# KiCad board V5PCB_Panel.kicad_pcb (continued)
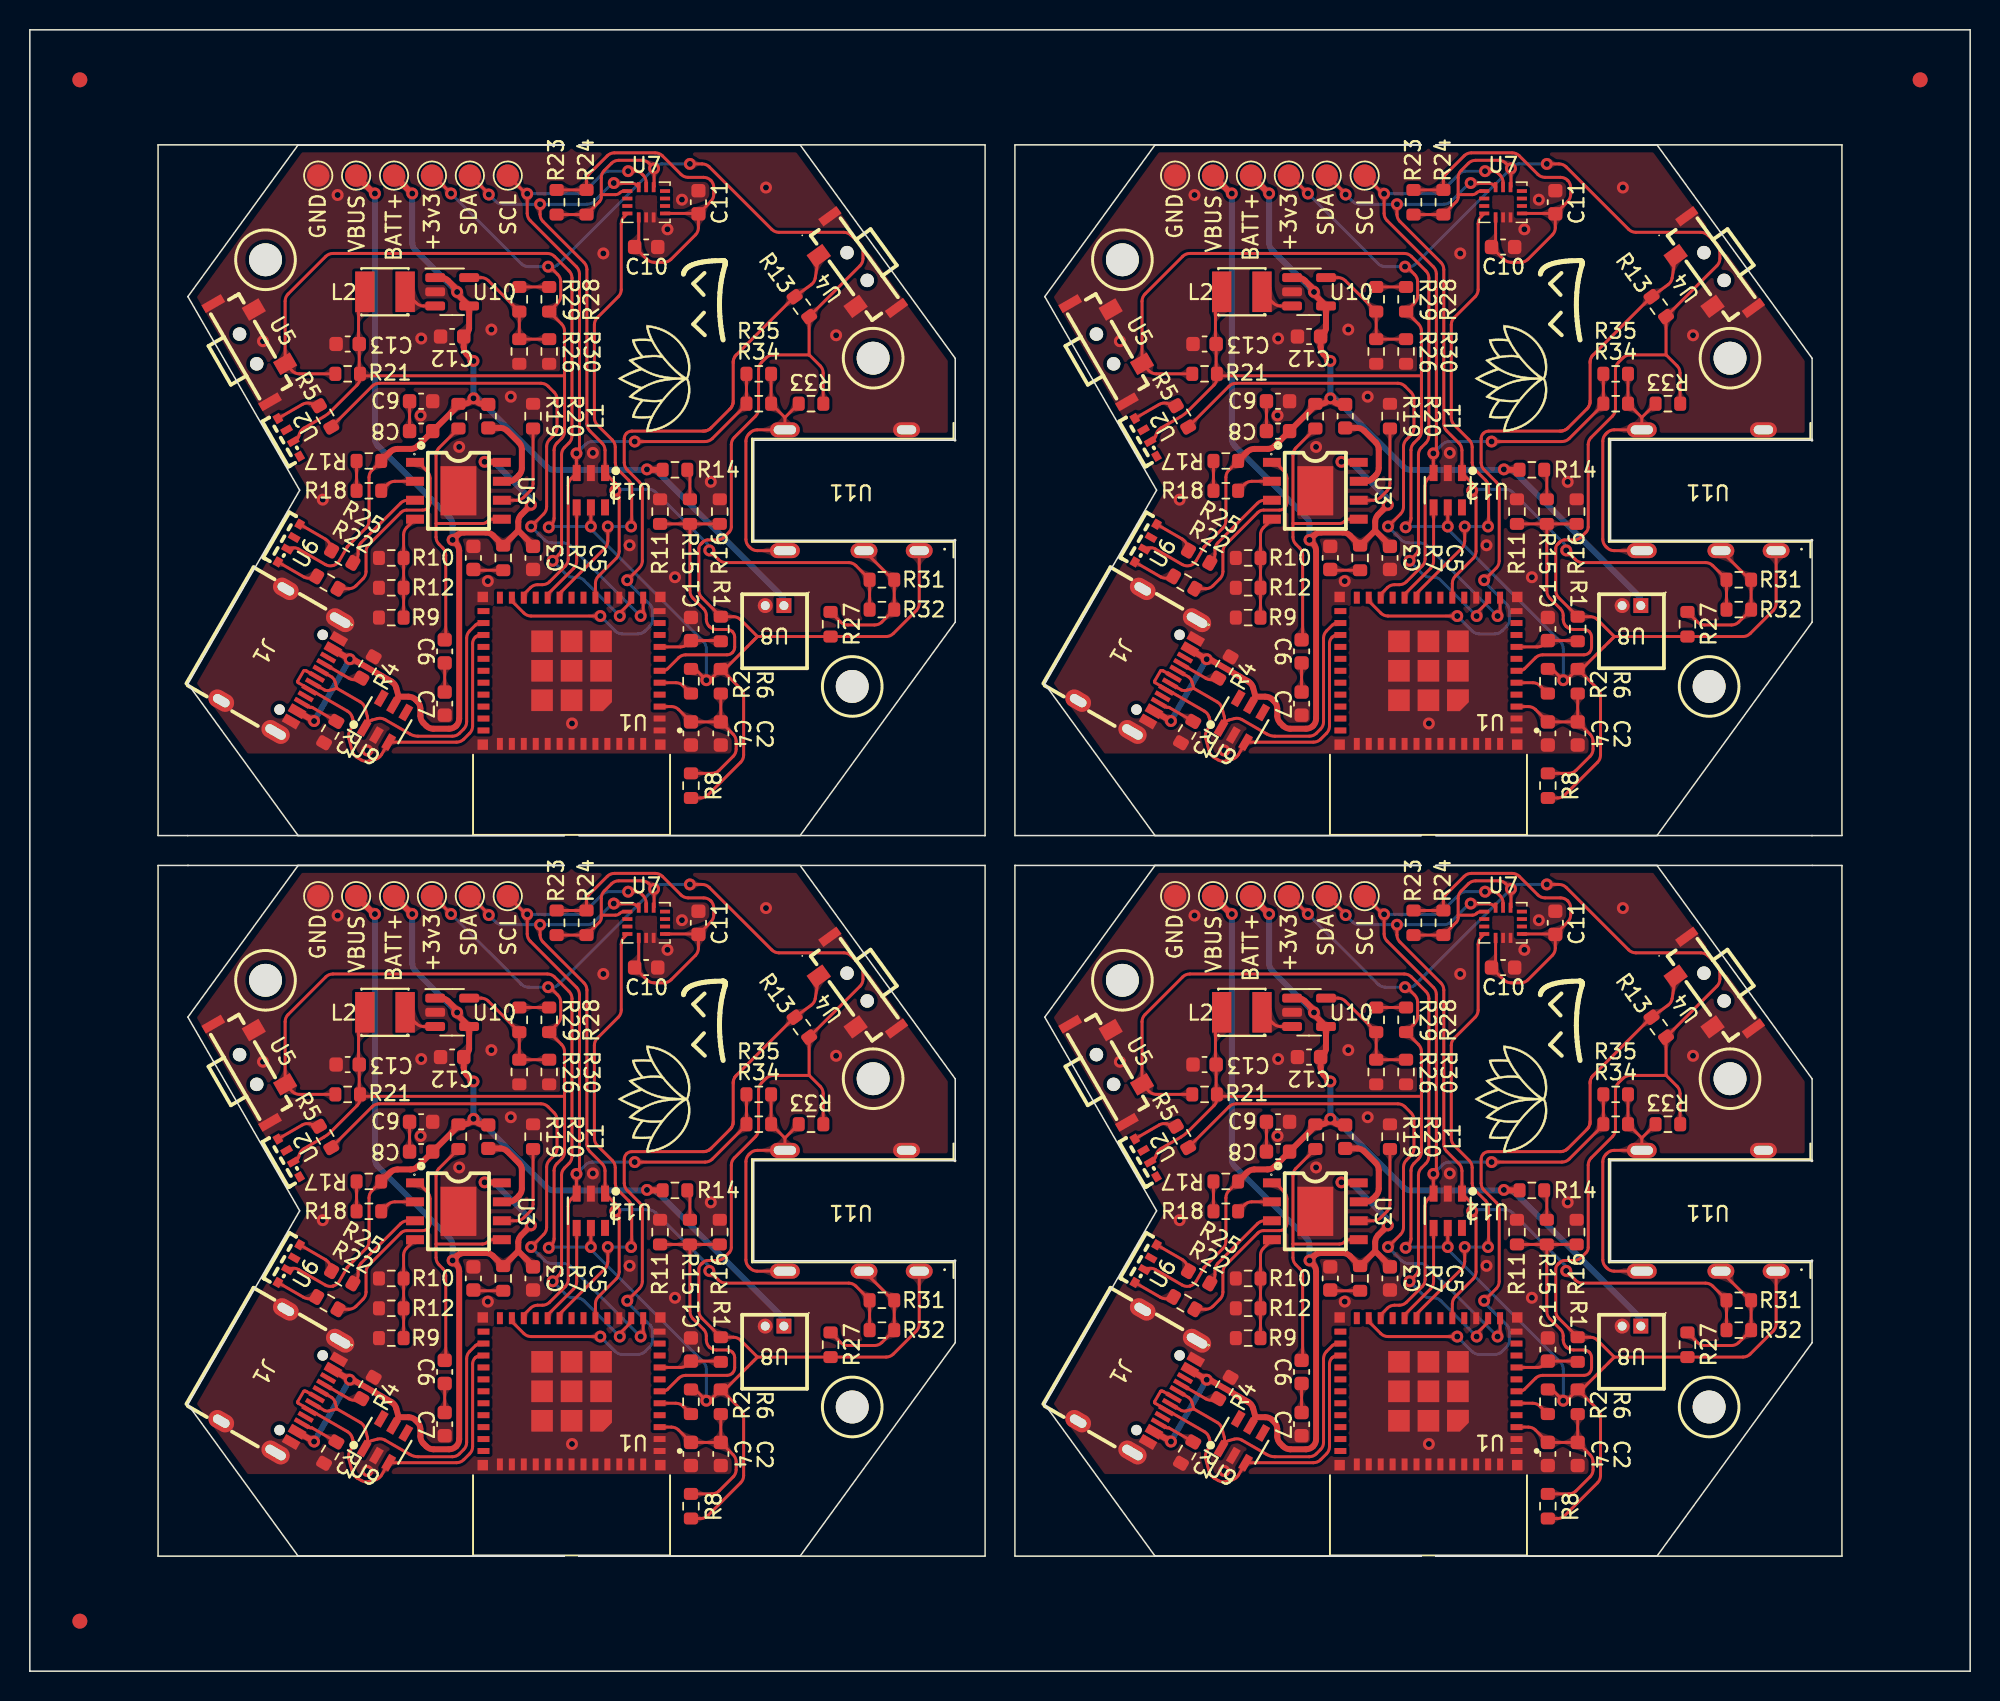
[diagram p0: board, top side]
## Placement (name value [footprint] x y rotation side) (continued)
VBUS  -  [TestPoint_Pad_D1.5mm]  21.86 51.94 90 top
VBUS#2  -  [TestPoint_Pad_D1.5mm]  79.27 51.94 90 top
VBUS#3  -  [TestPoint_Pad_D1.5mm]  21.86 100.23 90 top
VBUS#4  -  [TestPoint_Pad_D1.5mm]  79.27 100.23 90 top
VBUS#5  -  [TestPoint_Pad_D1.5mm]  79.27 51.94 270 bottom
VBUS#6  -  [TestPoint_Pad_D1.5mm]  21.86 100.23 270 bottom
VBUS#7  -  [TestPoint_Pad_D1.5mm]  21.86 51.94 270 bottom
VBUS#8  -  [TestPoint_Pad_D1.5mm]  79.27 100.23 270 bottom

## Library data of the parts
C1 C1#2-C1#4 C2 C2#2-C2#4 C3 C3#2-C3#4 C4 C4#2-C4#4 C5 C5#2-C5#4 C6 C6#2-C6#4 C7 C7#2-C7#4 C8 C8#2-C8#4 C9 C9#2-C9#4 C10 C10#2-C10#4 C11 C11#2-C11#4 C12 C12#2-C12#4 C13 C13#2-C13#4 = -: Description: Unpolarized capacitor, small symbol
J1 J1#2-J1#4 = -: Description: USB 2.0-only Type-C Receptacle connector
L1 L1#2-L1#4 = -: Description: Inductor, small symbol; LCSC: C394948
L2 L2#2-L2#4 = -: Description: Inductor, small symbol; LCSC: C167747
R1 R1#2-R1#4 R2 R2#2-R2#4 R3 R3#2-R3#4 R4 R4#2-R4#4 R5 R5#2-R5#4 R6 R6#2-R6#4 R7 R7#2-R7#4 R8 R8#2-R8#4 R9 R9#2-R9#4 R10 R10#2-R10#4 R11 R11#2-R11#4 R12 R12#2-R12#4 R13 R13#2-R13#4 R14 R14#2-R14#4 R15 R15#2-R15#4 R16 R16#2-R16#4 R17 R17#2-R17#4 R18 R18#2-R18#4 R19 R19#2-R19#4 R20 R20#2-R20#4 R21 R21#2-R21#4 R22 R22#2-R22#4 R23 R23#2-R23#4 R24 R24#2-R24#4 R25 R25#2-R25#4 R26 R26#2-R26#4 R27 R27#2-R27#4 R28 R28#2-R28#4 R29 R29#2-R29#4 R30 R30#2-R30#4 R31 R31#2-R31#4 R32 R32#2-R32#4 R33 R33#2-R33#4 R34 R34#2-R34#4 R35 R35#2-R35#4 = -: Description: Resistor, small symbol
U1 U1#2-U1#4 = -: Description: Bluetooth, WiFi 802.11b/g/n, Bluetooth v5.0 Transceiver Module 2.412GHz ~ 2.484GHz PCB Trace Surface Mount; Availability: In Stock; Check_prices: https://www.snapeda.com/parts/ESP32-C3-MINI-1-N4/Espressif+Systems/view-part/?ref=eda; MANUFACTURER: Espressif Systems; MAXIMUM_PACKAGE_HEIGHT: 2.55mm; MF: Espressif Systems; PARTREV: v1.0; Package: SMD-53 Espressif Systems; Price: None; Purchase-URL: https://www.snapeda.com/api/url_track_click_mouser/?unipart_id=5656579&manufacturer=Espressif Systems&part_name=ESP32-C3-MINI-1-N4&search_term=esp32-c3-mini; STANDARD: Manufacturer Recommendations; SnapEDA_Link: https://www.snapeda.com/parts/ESP32-C3-MINI-1-N4/Espressif+Systems/view-part/?ref=snap
U2 U2#2-U2#4 U6 U6#2-U6#4 = -: LCSC: C727903
U4 U4#2-U4#4 U5 U5#2-U5#4 = -: LCSC: C410363
U7 U7#2-U7#4 = -: Description: Small, low power inertial measurement unit, LGA-14
U8 U8#2-U8#4 = -: LCSC: C722634
U9 U9#2-U9#4 U12 U12#2-U12#4 = -: LCSC: C558418
U10 U10#2-U10#4 = -: LCSC: C83224
U11 U11#2-U11#4 = -: LCSC: C2837093

## Footprints (pads in the part's own frame, mm; a bottom-side part is the same pattern mirrored in y, then rotated)
AUDIO-TH_ST-0277D00-052-142
  oval 1.8x1 hole 1.3x0.6: 1(-4.5,4.05) 2(-3.65,-4.05) 3(-0.8,4.05)
  oval 2x1 hole 1.5x0.6: 4(4.5,-4.05) 5(4.5,4.05)
Bosch_LGA-14_3x2.5mm_P0.5mm
  rect 0.675x0.25 smd: 1(-1.262,0.75) 2(-1.262,0.25) 3(-1.262,-0.25) 4(-1.262,-0.75) 8(1.262,-0.75) 9(1.262,-0.25) 10(1.262,0.25) 11(1.262,0.75)
  rect 0.25x0.675 smd: 5(-0.5,-1.012) 6(0,-1.012) 7(0.5,-1.012) 12(0.5,1.012) 13(0,1.012) 14(-0.5,1.012)
C_0603_1608Metric
  rrect 0.9x0.95 smd: 1(-0.775,0) 2(0.775,0)
CONN-TH_1.25T-2AW
  rect 1x1 hole 0.6: 1(-0.625,0)
  round 1 hole 0.6: 2(0.625,0)
ESOP-8_L4.9-W3.9-P1.27-LS6.0-BL-EP
  rect 0.6x1.2 smd: 1(-1.905,-2.908) 2(-0.635,-2.908) 3(0.635,-2.908) 4(1.905,-2.908) 5(1.905,2.908) 6(0.635,2.908) 7(-0.635,2.908) 8(-1.905,2.908)
  rect 3.3x2.4 smd: 9(0,0)
Fiducial
  round 1 smd: (0,0)
IND-SMD_L3.0-W3.0_FNR30XXS
  rect 1.3x2.72 smd: 1(1.35,0) 2(-1.35,0)
L_0603_1608Metric
  rrect 0.875x0.95 smd: 1(-0.787,0) 2(0.787,0)
LED-SMD_FM-3510RGBA-SG
  rect 0.6x0.5 smd: 1(-1.46,0.062) 4(1.46,0.062)
  rect 0.44x0.75 smd: 2(-0.39,-0.062) 3(0.51,-0.062)
MountingHole_2.2mm_M2_ISO7380
  round 2.2 hole 2.2 unplated: (0,0)
R_0603_1608Metric
  rrect 0.8x0.95 smd: 1(-0.825,0) 2(0.825,0)
SOT-23-5
  rrect 1.325x0.6 smd: 1(-1.137,0.95) 2(-1.137,0) 3(-1.137,-0.95) 4(1.137,-0.95) 5(1.137,0.95)
SOT-23-6_L2.9-W1.6-P0.95-LS2.8-BL
  rect 0.532x1.072 smd: 1(-0.95,-1.149) 2(0,-1.149) 3(0.95,-1.149) 4(0.95,1.149) 5(0,1.149) 6(-0.95,1.149)
SW-SMD_TS-KG012EV
  round 0.9 hole 0.9 unplated: (-1.15,-0.575) (1.15,-0.575)
  rect 1x1.3 smd: 1(2.1,1.075) 2(-2.1,1.075)
  rect 0.6x1.5 smd: 3(-3.8,-1.075) 4(3.8,-1.075)
TestPoint_Pad_D1.5mm
  round 1.5 smd: 1(0,0)
USB-C-SMD_TYPE-C-6PIN-2MD-073
  round 0.7 hole 0.7 unplated: (-2.89,1.305) (2.89,1.305)
  rect 0.3x1.1 smd: 3(-1.75,2.375) 9(1.25,2.375) A5(-1.25,2.375) A6(0.75,2.375) A7(0.25,2.375) B5(1.75,2.375) B6(-0.25,2.375) B7(-0.75,2.375)
  rect 0.6x1.1 smd: A1(-3.2,2.375) A1(3.2,2.375) A4(-2.4,2.375) A4(2.4,2.375)
  oval 1.2x2 hole 0.6x1.5: S1(-4.325,1.825) S1(4.325,1.825)
  oval 1.2x1.8 hole 0.6x1.2: S1(-4.325,-2.375) S1(4.325,-2.375)
XCVR_ESP32-C3-MINI-1-N4
  rect 0.8x0.4 smd: 1(-5.9,1.3) 2(-5.9,0.5) 3(-5.9,-0.3) 4(-5.9,-1.1) 5(-5.9,-1.9) 6(-5.9,-2.7) 7(-5.9,-3.5) 8(-5.9,-4.3) 9(-5.9,-5.1) 10(-5.9,-5.9) 11(-5.9,-6.7) 25(5.9,-6.7) 26(5.9,-5.9) 27(5.9,-5.1) 28(5.9,-4.3) 29(5.9,-3.5) 30(5.9,-2.7) 31(5.9,-1.9) 32(5.9,-1.1) 33(5.9,-0.3) 34(5.9,0.5) 35(5.9,1.3)
  rect 0.4x0.8 smd: 12(-4.8,-7.6) 13(-4,-7.6) 14(-3.2,-7.6) 15(-2.4,-7.6) 16(-1.6,-7.6) 17(-0.8,-7.6) 18(0,-7.6) 19(0.8,-7.6) 20(1.6,-7.6) 21(2.4,-7.6) 22(3.2,-7.6) 23(4,-7.6) 24(4.8,-7.6) 36(4.8,2.2) 37(4,2.2) 38(3.2,2.2) 39(2.4,2.2) 40(1.6,2.2) 41(0.8,2.2) 42(0,2.2) 43(-0.8,2.2) 44(-1.6,2.2) 45(-2.4,2.2) 46(-3.2,2.2) 47(-4,2.2) 48(-4.8,2.2)
  custom 0.6x0.6 smd: 49_1(-1.975,-0.725)
  rect 1.45x1.45 smd: 49_2(0,-0.725) 49_3(1.975,-0.725) 49_4(1.975,-2.7) 49_5(1.975,-4.675) 49_6(0,-4.675) 49_7(-1.975,-4.675) 49_8(-1.975,-2.7) 49_9(0,-2.7)
  rect 0.7x0.7 smd: 50(5.95,2.25) 51(5.95,-7.65) 52(-5.95,-7.65) 53(-5.95,2.25)

## Nets
Board_0-+3V3: +3v3.1 +3v3#6.1 C13.1 L2#3.2 R1#3.1 R2#4.2 R6#4.1 R8#3.1 R13#4.2 R21#2.2 R23.1 R24#4.1 R27.1 R28#3.1 R33#4.1 U2#3.2 U7#2.1 U7#2.12 U11#4.1 U12#3.5
Board_0-+BATT: BATT+#3.1 BATT+#8.1 C8#2.1 C12#4.1 L1#4.2 R14.1 R17#4.1 R20.1 U6#3.2 U8#2.1 U10#3.1 U10#3.4
Board_0-/ADC: R11#4.1 R15#3.2 R16#3.1 U1#4.6
Board_0-/BMI_INT_AUX: U1#4.20 U12#3.4
Board_0-/BMI_INT_MAIN: U1#4.19 U7#2.4
Board_0-/BOOT: R13#4.1 U1#4.23 U4.1
Board_0-/CHARGED_LED: R25#3.2 U3#3.3
Board_0-/CHARGING_LED: R22#2.2 U3#3.1
Board_0-/EN: C1#3.1 R1#3.2 U1#4.8
Board_0-/GPIO1: R21#2.1 U1#4.13 U5#4.1
Board_0-/GPIO2: R2#4.1 U1#4.5
Board_0-/SCL: R34#3.1 R35#4.1 SCL#2.1 SCL#5.1 U1#4.22 U7#2.13 U12#3.3
Board_0-/SDA: R31#4.1 R32#2.1 SDA.1 SDA#8.1 U1#4.16 U7#2.14 U12#3.1
Board_0-/STATUS_LED: R5.2 U1#4.12
Board_0-/USB_D+: J1.A6 J1.B6 U1#4.27 U9#4.3
Board_0-/USB_D-: J1.A7 J1.B7 U1#4.26 U9#4.1
Board_0-GND: C1#3.2 C2.2 C3#3.2 C4#4.2 C5#2.2 C7#3.2 C9#3.2 C10#2.2 C11.2 C12#4.2 C13.2 GND#4.1 GND#5.1 J1.A1 J1.S1 R3.2 R4#2.2 R9.1 R10.1 R11#4.2 R12#4.1 R16#3.2 R19#4.1 R26.2 R30.2 U1#4.1 U1#4.2 U1#4.11 U1#4.14 U1#4.36 U1#4.37 U1#4.38 U1#4.39 U1#4.40 U1#4.41 U1#4.42 U1#4.43 U1#4.44 U1#4.45 U1#4.46 U1#4.47 U1#4.48 U1#4.49_1 U1#4.49_2 U1#4.49_3 U1#4.49_4 U1#4.49_5 U1#4.49_6 U1#4.49_7 U1#4.49_8 U1#4.49_9 U1#4.50 U1#4.51 U1#4.52 U1#4.53 U3#3.9 U4.2 U4.3 U4.4 U5#4.2 U5#4.3 U5#4.4 U7#2.6 U7#2.7 U8#2.2 U9#4.2 U10#3.2 U11#4.2 U12#3.2
Board_0-Net-(C3-Pad1): C3#3.1 R7#4.2
Board_0-Net-(C6-Pad2): C6#4.2 C7#3.1
Board_0-Net-(C8-Pad2): C8#2.2 C9#3.1
Board_0-Net-(J1-CC1): J1.A5 R4#2.1
Board_0-Net-(J1-CC2): J1.B5 R3.1
Board_0-Net-(R5-Pad1): R5.1 U2#3.4
Board_0-Net-(R14-Pad2): R14.2 R15#3.1
Board_0-Net-(R17-Pad2): R17#4.2 R18#4.1
Board_0-Net-(R22-Pad1): R22#2.1 U6#3.1
Board_0-Net-(R25-Pad1): R25#3.1 U6#3.4
Board_0-Net-(R27-Pad2): R27.2 R31#4.2 R32#2.2 U11#4.3
Board_0-Net-(R28-Pad2): R28#3.2 R29#2.1
Board_0-Net-(R33-Pad2): R33#4.2 R34#3.2 R35#4.2 U11#4.4 U11#4.5
Board_0-Net-(U1-3V3): C2.1 C4#4.1 R6#4.2 R8#3.2 U1#4.3
Board_0-Net-(U3-BAT): C6#4.1 R20.2 U3#3.5
Board_0-Net-(U3-ICHG): R19#4.2 U3#3.6
Board_0-Net-(U3-NTC): R9.2 R10.2 R12#4.2 U3#3.4
Board_0-Net-(U3-SW): L1#4.1 U3#3.7
Board_0-Net-(U3-TEST): R18#4.2 U3#3.2
Board_0-Net-(U7-VDD): C10#2.1 C11.1 R23.2 R24#4.2 U7#2.5 U7#2.8
Board_0-Net-(U10-FB): R26.1 R29#2.2 R30.1 U10#3.5
Board_0-Net-(U10-SW): L2#3.1 U10#3.3
Board_0-unconnected-(U1-IO4-Pad18): U1#4.18
Board_0-unconnected-(U1-IO7-Pad21): U1#4.21
Board_0-unconnected-(U1-NC-Pad4): U1#4.4
Board_0-unconnected-(U1-NC-Pad7): U1#4.7
Board_0-unconnected-(U1-NC-Pad9): U1#4.9
Board_0-unconnected-(U1-NC-Pad10): U1#4.10
Board_0-unconnected-(U1-NC-Pad15): U1#4.15
Board_0-unconnected-(U1-NC-Pad17): U1#4.17
Board_0-unconnected-(U1-NC-Pad24): U1#4.24
Board_0-unconnected-(U1-NC-Pad25): U1#4.25
Board_0-unconnected-(U1-NC-Pad28): U1#4.28
Board_0-unconnected-(U1-NC-Pad29): U1#4.29
Board_0-unconnected-(U1-NC-Pad32): U1#4.32
Board_0-unconnected-(U1-NC-Pad33): U1#4.33
Board_0-unconnected-(U1-NC-Pad34): U1#4.34
Board_0-unconnected-(U1-NC-Pad35): U1#4.35
Board_0-unconnected-(U1-RXD0-Pad30): U1#4.30
Board_0-unconnected-(U1-TXD0-Pad31): U1#4.31
Board_0-unconnected-(U2---Pad1): U2#3.1
Board_0-unconnected-(U2---Pad3): U2#3.3
Board_0-unconnected-(U6---Pad3): U6#3.3
Board_0-unconnected-(U7-ASCx-Pad3): U7#2.3
Board_0-unconnected-(U7-ASDx-Pad2): U7#2.2
Board_0-unconnected-(U7-INT2-Pad9): U7#2.9
Board_0-unconnected-(U7-OCSB-Pad10): U7#2.10
Board_0-unconnected-(U7-OSDO-Pad11): U7#2.11
Board_0-unconnected-(U9-Pad4): U9#4.4
Board_0-unconnected-(U9-Pad6): U9#4.6
Board_0-unconnected-(U12-Pad6): U12#3.6
Board_0-VBUS: C5#2.1 J1.A4 R7#4.1 U3#3.8 U9#4.5 VBUS#3.1 VBUS#6.1
Board_1-+3V3: +3v3#2.1 +3v3#7.1 C13#2.1 L2.2 R1#4.1 R2.2 R6#2.1 R8.1 R13#2.2 R21#3.2 R23#2.1 R24.1 R27#3.1 R28#4.1 R33.1 U2#2.2 U7#3.1 U7#3.12 U11#2.1 U12#2.5
Board_1-+BATT: BATT+#4.1 BATT+#6.1 C8#3.1 C12#3.1 L1#3.2 R14#2.1 R17#3.1 R20#3.1 U6#2.2 U8#4.1 U10.1 U10.4
Board_1-/ADC: R11#2.1 R15.2 R16.1 U1#3.6
Board_1-/BMI_INT_AUX: U1#3.20 U12#2.4
Board_1-/BMI_INT_MAIN: U1#3.19 U7#3.4
Board_1-/BOOT: R13#2.1 U1#3.23 U4#4.1
Board_1-/CHARGED_LED: R25#4.2 U3.3
Board_1-/CHARGING_LED: R22#4.2 U3.1
Board_1-/EN: C1#4.1 R1#4.2 U1#3.8
Board_1-/GPIO1: R21#3.1 U1#3.13 U5.1
Board_1-/GPIO2: R2.1 U1#3.5
Board_1-/SCL: R34.1 R35#3.1 SCL#3.1 SCL#8.1 U1#3.22 U7#3.13 U12#2.3
Board_1-/SDA: R31#2.1 R32#4.1 SDA#3.1 SDA#7.1 U1#3.16 U7#3.14 U12#2.1
Board_1-/STATUS_LED: R5#2.2 U1#3.12
Board_1-/USB_D+: J1#2.A6 J1#2.B6 U1#3.27 U9.3
Board_1-/USB_D-: J1#2.A7 J1#2.B7 U1#3.26 U9.1
Board_1-GND: C1#4.2 C2#4.2 C3#4.2 C4#2.2 C5#4.2 C7#2.2 C9.2 C10#3.2 C11#2.2 C12#3.2 C13#2.2 GND#2.1 GND#6.1 J1#2.A1 J1#2.S1 R3#2.2 R4.2 R9#3.1 R10#2.1 R11#2.2 R12#3.1 R16.2 R19#2.1 R26#2.2 R30#2.2 U1#3.1 U1#3.2 U1#3.11 U1#3.14 U1#3.36 U1#3.37 U1#3.38 U1#3.39 U1#3.40 U1#3.41 U1#3.42 U1#3.43 U1#3.44 U1#3.45 U1#3.46 U1#3.47 U1#3.48 U1#3.49_1 U1#3.49_2 U1#3.49_3 U1#3.49_4 U1#3.49_5 U1#3.49_6 U1#3.49_7 U1#3.49_8 U1#3.49_9 U1#3.50 U1#3.51 U1#3.52 U1#3.53 U3.9 U4#4.2 U4#4.3 U4#4.4 U5.2 U5.3 U5.4 U7#3.6 U7#3.7 U8#4.2 U9.2 U10.2 U11#2.2 U12#2.2
Board_1-Net-(C3-Pad1): C3#4.1 R7#2.2
Board_1-Net-(C6-Pad2): C6#2.2 C7#2.1
Board_1-Net-(C8-Pad2): C8#3.2 C9.1
Board_1-Net-(J1-CC1): J1#2.A5 R4.1
Board_1-Net-(J1-CC2): J1#2.B5 R3#2.1
Board_1-Net-(R5-Pad1): R5#2.1 U2#2.4
Board_1-Net-(R14-Pad2): R14#2.2 R15.1
Board_1-Net-(R17-Pad2): R17#3.2 R18.1
Board_1-Net-(R22-Pad1): R22#4.1 U6#2.1
Board_1-Net-(R25-Pad1): R25#4.1 U6#2.4
Board_1-Net-(R27-Pad2): R27#3.2 R31#2.2 R32#4.2 U11#2.3
Board_1-Net-(R28-Pad2): R28#4.2 R29#4.1
Board_1-Net-(R33-Pad2): R33.2 R34.2 R35#3.2 U11#2.4 U11#2.5
Board_1-Net-(U1-3V3): C2#4.1 C4#2.1 R6#2.2 R8.2 U1#3.3
Board_1-Net-(U3-BAT): C6#2.1 R20#3.2 U3.5
Board_1-Net-(U3-ICHG): R19#2.2 U3.6
Board_1-Net-(U3-NTC): R9#3.2 R10#2.2 R12#3.2 U3.4
Board_1-Net-(U3-SW): L1#3.1 U3.7
Board_1-Net-(U3-TEST): R18.2 U3.2
Board_1-Net-(U7-VDD): C10#3.1 C11#2.1 R23#2.2 R24.2 U7#3.5 U7#3.8
Board_1-Net-(U10-FB): R26#2.1 R29#4.2 R30#2.1 U10.5
Board_1-Net-(U10-SW): L2.1 U10.3
Board_1-unconnected-(U1-IO4-Pad18): U1#3.18
Board_1-unconnected-(U1-IO7-Pad21): U1#3.21
Board_1-unconnected-(U1-NC-Pad4): U1#3.4
Board_1-unconnected-(U1-NC-Pad7): U1#3.7
Board_1-unconnected-(U1-NC-Pad9): U1#3.9
Board_1-unconnected-(U1-NC-Pad10): U1#3.10
Board_1-unconnected-(U1-NC-Pad15): U1#3.15
Board_1-unconnected-(U1-NC-Pad17): U1#3.17
Board_1-unconnected-(U1-NC-Pad24): U1#3.24
Board_1-unconnected-(U1-NC-Pad25): U1#3.25
Board_1-unconnected-(U1-NC-Pad28): U1#3.28
Board_1-unconnected-(U1-NC-Pad29): U1#3.29
Board_1-unconnected-(U1-NC-Pad32): U1#3.32
Board_1-unconnected-(U1-NC-Pad33): U1#3.33
Board_1-unconnected-(U1-NC-Pad34): U1#3.34
Board_1-unconnected-(U1-NC-Pad35): U1#3.35
Board_1-unconnected-(U1-RXD0-Pad30): U1#3.30
Board_1-unconnected-(U1-TXD0-Pad31): U1#3.31
Board_1-unconnected-(U2---Pad1): U2#2.1
Board_1-unconnected-(U2---Pad3): U2#2.3
Board_1-unconnected-(U6---Pad3): U6#2.3
Board_1-unconnected-(U7-ASCx-Pad3): U7#3.3
Board_1-unconnected-(U7-ASDx-Pad2): U7#3.2
Board_1-unconnected-(U7-INT2-Pad9): U7#3.9
Board_1-unconnected-(U7-OCSB-Pad10): U7#3.10
Board_1-unconnected-(U7-OSDO-Pad11): U7#3.11
Board_1-unconnected-(U9-Pad4): U9.4
Board_1-unconnected-(U9-Pad6): U9.6
Board_1-unconnected-(U12-Pad6): U12#2.6
Board_1-VBUS: C5#4.1 J1#2.A4 R7#2.1 U3.8 U9.5 VBUS#4.1 VBUS#8.1
Board_2-+3V3: +3v3#3.1 +3v3#8.1 C13#4.1 L2#4.2 R1.1 R2#3.2 R6.1 R8#2.1 R13#3.2 R21.2 R23#4.1 R24#2.1 R27#2.1 R28#2.1 R33#2.1 U2#4.2 U7#4.1 U7#4.12 U11#3.1 U12#4.5
Board_2-+BATT: BATT+.1 BATT+#5.1 C8#4.1 C12.1 L1#2.2 R14#3.1 R17.1 R20#2.1 U6#4.2 U8.1 U10#4.1 U10#4.4
Board_2-/ADC: R11.1 R15#4.2 R16#2.1 U1#2.6
Board_2-/BMI_INT_AUX: U1#2.20 U12#4.4
Board_2-/BMI_INT_MAIN: U1#2.19 U7#4.4
Board_2-/BOOT: R13#3.1 U1#2.23 U4#3.1
Board_2-/CHARGED_LED: R25#2.2 U3#2.3
Board_2-/CHARGING_LED: R22.2 U3#2.1
Board_2-/EN: C1.1 R1.2 U1#2.8
Board_2-/GPIO1: R21.1 U1#2.13 U5#3.1
Board_2-/GPIO2: R2#3.1 U1#2.5
Board_2-/SCL: R34#2.1 R35#2.1 SCL.1 SCL#7.1 U1#2.22 U7#4.13 U12#4.3
Board_2-/SDA: R31.1 R32#3.1 SDA#4.1 SDA#5.1 U1#2.16 U7#4.14 U12#4.1
Board_2-/STATUS_LED: R5#3.2 U1#2.12
Board_2-/USB_D+: J1#4.A6 J1#4.B6 U1#2.27 U9#2.3
Board_2-/USB_D-: J1#4.A7 J1#4.B7 U1#2.26 U9#2.1
Board_2-GND: C1.2 C2#2.2 C3.2 C4#3.2 C5#3.2 C7.2 C9#2.2 C10.2 C11#4.2 C12.2 C13#4.2 GND#3.1 GND#8.1 J1#4.A1 J1#4.S1 R3#4.2 R4#3.2 R9#2.1 R10#4.1 R11.2 R12.1 R16#2.2 R19#3.1 R26#4.2 R30#3.2 U1#2.1 U1#2.2 U1#2.11 U1#2.14 U1#2.36 U1#2.37 U1#2.38 U1#2.39 U1#2.40 U1#2.41 U1#2.42 U1#2.43 U1#2.44 U1#2.45 U1#2.46 U1#2.47 U1#2.48 U1#2.49_1 U1#2.49_2 U1#2.49_3 U1#2.49_4 U1#2.49_5 U1#2.49_6 U1#2.49_7 U1#2.49_8 U1#2.49_9 U1#2.50 U1#2.51 U1#2.52 U1#2.53 U3#2.9 U4#3.2 U4#3.3 U4#3.4 U5#3.2 U5#3.3 U5#3.4 U7#4.6 U7#4.7 U8.2 U9#2.2 U10#4.2 U11#3.2 U12#4.2
Board_2-Net-(C3-Pad1): C3.1 R7.2
Board_2-Net-(C6-Pad2): C6#3.2 C7.1
Board_2-Net-(C8-Pad2): C8#4.2 C9#2.1
Board_2-Net-(J1-CC1): J1#4.A5 R4#3.1
Board_2-Net-(J1-CC2): J1#4.B5 R3#4.1
Board_2-Net-(R5-Pad1): R5#3.1 U2#4.4
Board_2-Net-(R14-Pad2): R14#3.2 R15#4.1
Board_2-Net-(R17-Pad2): R17.2 R18#2.1
Board_2-Net-(R22-Pad1): R22.1 U6#4.1
Board_2-Net-(R25-Pad1): R25#2.1 U6#4.4
Board_2-Net-(R27-Pad2): R27#2.2 R31.2 R32#3.2 U11#3.3
Board_2-Net-(R28-Pad2): R28#2.2 R29#3.1
Board_2-Net-(R33-Pad2): R33#2.2 R34#2.2 R35#2.2 U11#3.4 U11#3.5
Board_2-Net-(U1-3V3): C2#2.1 C4#3.1 R6.2 R8#2.2 U1#2.3
Board_2-Net-(U3-BAT): C6#3.1 R20#2.2 U3#2.5
Board_2-Net-(U3-ICHG): R19#3.2 U3#2.6
Board_2-Net-(U3-NTC): R9#2.2 R10#4.2 R12.2 U3#2.4
Board_2-Net-(U3-SW): L1#2.1 U3#2.7
Board_2-Net-(U3-TEST): R18#2.2 U3#2.2
Board_2-Net-(U7-VDD): C10.1 C11#4.1 R23#4.2 R24#2.2 U7#4.5 U7#4.8
Board_2-Net-(U10-FB): R26#4.1 R29#3.2 R30#3.1 U10#4.5
Board_2-Net-(U10-SW): L2#4.1 U10#4.3
Board_2-unconnected-(U1-IO4-Pad18): U1#2.18
Board_2-unconnected-(U1-IO7-Pad21): U1#2.21
Board_2-unconnected-(U1-NC-Pad4): U1#2.4
Board_2-unconnected-(U1-NC-Pad7): U1#2.7
Board_2-unconnected-(U1-NC-Pad9): U1#2.9
Board_2-unconnected-(U1-NC-Pad10): U1#2.10
Board_2-unconnected-(U1-NC-Pad15): U1#2.15
Board_2-unconnected-(U1-NC-Pad17): U1#2.17
Board_2-unconnected-(U1-NC-Pad24): U1#2.24
Board_2-unconnected-(U1-NC-Pad25): U1#2.25
Board_2-unconnected-(U1-NC-Pad28): U1#2.28
Board_2-unconnected-(U1-NC-Pad29): U1#2.29
Board_2-unconnected-(U1-NC-Pad32): U1#2.32
Board_2-unconnected-(U1-NC-Pad33): U1#2.33
Board_2-unconnected-(U1-NC-Pad34): U1#2.34
Board_2-unconnected-(U1-NC-Pad35): U1#2.35
Board_2-unconnected-(U1-RXD0-Pad30): U1#2.30
Board_2-unconnected-(U1-TXD0-Pad31): U1#2.31
Board_2-unconnected-(U2---Pad1): U2#4.1
Board_2-unconnected-(U2---Pad3): U2#4.3
Board_2-unconnected-(U6---Pad3): U6#4.3
Board_2-unconnected-(U7-ASCx-Pad3): U7#4.3
Board_2-unconnected-(U7-ASDx-Pad2): U7#4.2
Board_2-unconnected-(U7-INT2-Pad9): U7#4.9
Board_2-unconnected-(U7-OCSB-Pad10): U7#4.10
Board_2-unconnected-(U7-OSDO-Pad11): U7#4.11
Board_2-unconnected-(U9-Pad4): U9#2.4
Board_2-unconnected-(U9-Pad6): U9#2.6
Board_2-unconnected-(U12-Pad6): U12#4.6
Board_2-VBUS: C5#3.1 J1#4.A4 R7.1 U3#2.8 U9#2.5 VBUS.1 VBUS#7.1
Board_3-+3V3: +3v3#4.1 +3v3#5.1 C13#3.1 L2#2.2 R1#2.1 R2#2.2 R6#3.1 R8#4.1 R13.2 R21#4.2 R23#3.1 R24#3.1 R27#4.1 R28.1 R33#3.1 U2.2 U7.1 U7.12 U11.1 U12.5
Board_3-+BATT: BATT+#2.1 BATT+#7.1 C8.1 C12#2.1 L1.2 R14#4.1 R17#2.1 R20#4.1 U6.2 U8#3.1 U10#2.1 U10#2.4
Board_3-/ADC: R11#3.1 R15#2.2 R16#4.1 U1.6
Board_3-/BMI_INT_AUX: U1.20 U12.4
Board_3-/BMI_INT_MAIN: U1.19 U7.4
Board_3-/BOOT: R13.1 U1.23 U4#2.1
Board_3-/CHARGED_LED: R25.2 U3#4.3
Board_3-/CHARGING_LED: R22#3.2 U3#4.1
Board_3-/EN: C1#2.1 R1#2.2 U1.8
Board_3-/GPIO1: R21#4.1 U1.13 U5#2.1
Board_3-/GPIO2: R2#2.1 U1.5
Board_3-/SCL: R34#4.1 R35.1 SCL#4.1 SCL#6.1 U1.22 U7.13 U12.3
Board_3-/SDA: R31#3.1 R32.1 SDA#2.1 SDA#6.1 U1.16 U7.14 U12.1
Board_3-/STATUS_LED: R5#4.2 U1.12
Board_3-/USB_D+: J1#3.A6 J1#3.B6 U1.27 U9#3.3
Board_3-/USB_D-: J1#3.A7 J1#3.B7 U1.26 U9#3.1
Board_3-GND: C1#2.2 C2#3.2 C3#2.2 C4.2 C5.2 C7#4.2 C9#4.2 C10#4.2 C11#3.2 C12#2.2 C13#3.2 GND.1 GND#7.1 J1#3.A1 J1#3.S1 R3#3.2 R4#4.2 R9#4.1 R10#3.1 R11#3.2 R12#2.1 R16#4.2 R19.1 R26#3.2 R30#4.2 U1.1 U1.2 U1.11 U1.14 U1.36 U1.37 U1.38 U1.39 U1.40 U1.41 U1.42 U1.43 U1.44 U1.45 U1.46 U1.47 U1.48 U1.49_1 U1.49_2 U1.49_3 U1.49_4 U1.49_5 U1.49_6 U1.49_7 U1.49_8 U1.49_9 U1.50 U1.51 U1.52 U1.53 U3#4.9 U4#2.2 U4#2.3 U4#2.4 U5#2.2 U5#2.3 U5#2.4 U7.6 U7.7 U8#3.2 U9#3.2 U10#2.2 U11.2 U12.2
Board_3-Net-(C3-Pad1): C3#2.1 R7#3.2
Board_3-Net-(C6-Pad2): C6.2 C7#4.1
Board_3-Net-(C8-Pad2): C8.2 C9#4.1
Board_3-Net-(J1-CC1): J1#3.A5 R4#4.1
Board_3-Net-(J1-CC2): J1#3.B5 R3#3.1
Board_3-Net-(R5-Pad1): R5#4.1 U2.4
Board_3-Net-(R14-Pad2): R14#4.2 R15#2.1
Board_3-Net-(R17-Pad2): R17#2.2 R18#3.1
Board_3-Net-(R22-Pad1): R22#3.1 U6.1
Board_3-Net-(R25-Pad1): R25.1 U6.4
Board_3-Net-(R27-Pad2): R27#4.2 R31#3.2 R32.2 U11.3
Board_3-Net-(R28-Pad2): R28.2 R29.1
Board_3-Net-(R33-Pad2): R33#3.2 R34#4.2 R35.2 U11.4 U11.5
Board_3-Net-(U1-3V3): C2#3.1 C4.1 R6#3.2 R8#4.2 U1.3
Board_3-Net-(U3-BAT): C6.1 R20#4.2 U3#4.5
Board_3-Net-(U3-ICHG): R19.2 U3#4.6
Board_3-Net-(U3-NTC): R9#4.2 R10#3.2 R12#2.2 U3#4.4
Board_3-Net-(U3-SW): L1.1 U3#4.7
Board_3-Net-(U3-TEST): R18#3.2 U3#4.2
Board_3-Net-(U7-VDD): C10#4.1 C11#3.1 R23#3.2 R24#3.2 U7.5 U7.8
Board_3-Net-(U10-FB): R26#3.1 R29.2 R30#4.1 U10#2.5
Board_3-Net-(U10-SW): L2#2.1 U10#2.3
Board_3-unconnected-(U1-IO4-Pad18): U1.18
Board_3-unconnected-(U1-IO7-Pad21): U1.21
Board_3-unconnected-(U1-NC-Pad4): U1.4
Board_3-unconnected-(U1-NC-Pad7): U1.7
Board_3-unconnected-(U1-NC-Pad9): U1.9
Board_3-unconnected-(U1-NC-Pad10): U1.10
Board_3-unconnected-(U1-NC-Pad15): U1.15
Board_3-unconnected-(U1-NC-Pad17): U1.17
Board_3-unconnected-(U1-NC-Pad24): U1.24
Board_3-unconnected-(U1-NC-Pad25): U1.25
Board_3-unconnected-(U1-NC-Pad28): U1.28
Board_3-unconnected-(U1-NC-Pad29): U1.29
Board_3-unconnected-(U1-NC-Pad32): U1.32
Board_3-unconnected-(U1-NC-Pad33): U1.33
Board_3-unconnected-(U1-NC-Pad34): U1.34
Board_3-unconnected-(U1-NC-Pad35): U1.35
Board_3-unconnected-(U1-RXD0-Pad30): U1.30
Board_3-unconnected-(U1-TXD0-Pad31): U1.31
Board_3-unconnected-(U2---Pad1): U2.1
Board_3-unconnected-(U2---Pad3): U2.3
Board_3-unconnected-(U6---Pad3): U6.3
Board_3-unconnected-(U7-ASCx-Pad3): U7.3
Board_3-unconnected-(U7-ASDx-Pad2): U7.2
Board_3-unconnected-(U7-INT2-Pad9): U7.9
Board_3-unconnected-(U7-OCSB-Pad10): U7.10
Board_3-unconnected-(U7-OSDO-Pad11): U7.11
Board_3-unconnected-(U9-Pad4): U9#3.4
Board_3-unconnected-(U9-Pad6): U9#3.6
Board_3-unconnected-(U12-Pad6): U12.6
Board_3-VBUS: C5.1 J1#3.A4 R7#3.1 U3#4.8 U9#3.5 VBUS#2.1 VBUS#5.1

Pads without a net: J1 3 9; J1#2 3 9; J1#3 3 9; J1#4 3 9

## Via types
v1: diameter 0.8, hole 0.4, Top to Bottom, 220 vias

## Routing (per net, layer and track width the routed paths; a pad name or vN(x,y) marks a point on that pad's centre or on a via; arc(x,y) is an arc through that point)
Board_0-+3V3: length 184.4
  Top w0.2: v1(44.22,101.01) 45.04,101.01 arc(45.3,100.96) 45.52,100.81 49.71,96.63 arc(49.93,96.48) 50.19,96.43 54.54,96.43 arc(54.8,96.38) 55.02,96.23 55.62,95.63 arc(55.77,95.41) 55.82,95.15 55.82,94.67 arc(55.77,94.41) 55.62,94.19 R13#4.2 ; 48.75,69.34 48.07,68.67 46.68,67.27 arc(46.57,67.2) 46.44,67.17 R6#4.1 ; 48.75,69.34 57.37,69.34 arc(57.63,69.39) 57.85,69.54 59.39,71.08 arc(59.54,71.3) 59.59,71.56 U11#4.1 59.59,75 ; 48.75,69.34 47.62,70.47 arc(47.4,70.62) 47.14,70.67 R1#3.1 45.02,71.94 arc(44.88,72.16) 44.82,72.42 44.82,75.25 arc(44.85,75.39) 44.93,75.51 45.11,75.69 arc(45.25,75.78) 45.41,75.81 46.05,75.81 arc(46.31,75.87) 46.53,76.01 46.85,76.34 arc(46.96,76.5) 47,76.69 47,82.21 arc(47.05,82.47) 47.2,82.69 48.62,84.11 arc(48.77,84.34) 48.82,84.6 48.82,87.23 arc(48.88,87.49) 49.02,87.71 49.32,88.01 arc(49.55,88.16) 49.81,88.21 52.21,88.21 ; 38.28,98.96 39.24,98.96 arc(39.39,98.99) 39.53,99.08 arc(39.66,99.16) 39.81,99.19 U7#2.1 ; 38.28,98.96 38.28,98.78 arc(38.25,98.62) 38.16,98.49 R24#4.1 R23.1 ; 38.28,98.96 38.28,100.09 arc(38.34,100.35) 38.48,100.57 38.97,101.06 arc(39.19,101.2) 39.45,101.26 41,101.26 arc(41.26,101.2) 41.48,101.06 v1(41.82,100.71) 41.82,99.51 arc(41.82,99.49) 41.81,99.47 U7#2.12 ; R8#3.1 44.95,58.52 arc(45.21,58.57) 45.43,58.72 47.62,60.91 arc(47.77,61.14) 47.82,61.4 47.82,65.36 arc(47.77,65.62) 47.62,65.84 R6#4.1 ; v1(37.59,76.71) U12#3.5 ; v1(28.22,99.03) 27.05,100.2 arc(27.02,100.22) 26.98,100.23 +3v3.1 ; L2#3.2 22.22,92.22 arc(22.08,92) 22.02,91.74 22.02,89.02 arc(22.03,88.99) 22.05,88.97 arc(22.06,88.94) 22.07,88.91 22.07,87.03 arc(22.08,87) 22.09,86.97 R21#2.2 ; v1(34.77,76.66) 34.95,76.84 arc(35.08,77.04) 35.12,77.27 35.12,81.83 arc(35.18,82.09) 35.32,82.31 35.62,82.61 arc(35.77,82.84) 35.82,83.1 35.82,89.81 arc(35.77,90.07) 35.62,90.29 R28#3.1 35.37,91.7 arc(35.52,91.92) 35.57,92.18 35.57,93.12 arc(35.52,93.38) 35.37,93.6 34.88,94.09 arc(34.84,94.12) 34.78,94.13 v1(34.72,94.13) ; 26.97,100.21 26.97,100.23 arc(26.96,100.23) 26.95,100.23 26.95,100.23 arc(26.94,100.23) 26.94,100.23 ; R21#2.2 22.12,86.67 arc(22.07,86.41) 21.92,86.19 20.16,84.43 arc(19.95,84.24) 19.7,84.08 18.37,83.31 arc(18.17,83.14) 18.05,82.9 18.02,82.78 arc(17.94,82.62) 17.81,82.5 U2#3.2 ; R21#2.2 22.18,86.88 arc(22.26,86.83) 22.34,86.81 35.82,86.81 ; R13#4.2 52.04,90.66 ; R13#4.2 52.21,88.21 ; 52.21,88.21 52.22,88.21 arc(52.22,88.21) 52.23,88.21 52.95,87.48 arc(53.1,87.26) 53.15,87 53.15,84.99 arc(53.16,84.97) 53.16,84.96 R33#4.1 ; R6#4.1 45.61,66.49 arc(45.53,66.43) 45.43,66.41 v1(45.32,66.41) 44.66,67.07 arc(44.56,67.14) 44.43,67.17 R2#4.2
  Bottom w0.2: v1(44.22,101.01) 42.34,101.01 arc(42.14,100.98) 41.97,100.86 v1(41.82,100.71) 35.39,94.28 arc(35.21,94.16) 34.98,94.11 34.75,94.11 arc(34.74,94.12) 34.73,94.12 v1(34.72,94.13) 33.4,94.13 arc(33.14,94.18) 32.92,94.33 v1(28.22,99.03) 27.05,100.2 arc(27.02,100.22) 26.98,100.23 +3v3#6.1 ; v1(45.32,66.41) 45.32,68.53 arc(45.27,68.79) 45.12,69.01 37.65,76.49 arc(37.6,76.56) 37.59,76.63 v1(37.59,76.71) 34.86,76.71 arc(34.82,76.71) 34.79,76.69 v1(34.77,76.66) ; 26.94,100.22 arc(26.94,100.23) 26.95,100.23 arc(26.95,100.23) 26.96,100.23
Board_0-+BATT: length 70.7
  Top w0.2: R17#4.1 22.92,80.49 arc(22.78,80.27) 22.72,80.01 22.72,77.1 arc(22.67,76.84) 22.52,76.61 21.27,75.36 arc(21.26,75.35) 21.26,75.35 arc(21.26,75.34) 21.26,75.33 20.73,74.41 arc(20.55,74.22) 20.32,74.1 20.31,74.1 arc(20.05,74.08) 19.8,74.17 17.99,75.21 arc(17.76,75.29) 17.51,75.27 U6#3.2 ; v1(28.63,92.43) 28.63,92.37 arc(28.64,92.31) 28.67,92.25 ; 30.71,84.9 L1#4.2 ; 29.39,91.67 arc(29.42,91.62) 29.43,91.56 29.43,91.5 arc(29.43,91.49) 29.43,91.49 arc(29.43,91.49) 29.43,91.49
  Top w0.4: R17#4.1 24.15,81.71 arc(24.37,81.86) 24.63,81.91 25.51,81.91 arc(25.77,81.97) 25.99,82.11 28.68,84.8 arc(28.71,84.84) 28.72,84.88 arc(28.73,84.92) 28.77,84.93 29.09,84.93 arc(29.33,84.98) 29.54,85.12 v1(29.72,85.31) ; v1(41.35,80.54) 41.41,80.54 arc(41.51,80.52) 41.61,80.51 R14.1 ; v1(29.72,87.81) 29.27,88.26 arc(29.12,88.48) 29.07,88.74 C12#4.1 29.25,89.63 arc(29.37,89.79) 29.43,89.98 29.43,91.49 ; 25.59,99.04 BATT+#3.1 ; 27.41,93.39 U10#3.1 27.54,93.39 arc(27.8,93.34) 28.02,93.2 28.57,92.64 arc(28.61,92.58) 28.63,92.51 v1(28.63,92.43) 28.63,92.62 ; v1(29.72,85.31) 29.92,85.11 arc(30.15,84.96) 30.41,84.91 30.7,84.91 arc(30.7,84.91) 30.71,84.9 ; v1(29.72,85.31) 29.86,85.44 ; 28.67,92.25 U10#3.4
  Bottom w0.2: v1(29.72,85.31) 29.72,85.61 ; BATT+#8.1 24.41,100.23 arc(24.42,100.23) 24.43,100.22 ; v1(28.63,92.43) 28.6,92.43
  Bottom w0.4: U8#2.1 50.52,71.66 arc(50.48,71.9) 50.35,72.09 42.09,80.35 arc(41.87,80.49) 41.62,80.54 v1(41.35,80.54) 41.33,80.52 arc(41.31,80.51) 41.29,80.51 35.11,80.51 arc(34.85,80.56) 34.63,80.71 29.72,85.61 ; v1(29.72,87.81) v1(29.72,85.31) ; 24.43,100.22 v1(25.62,99.03) 25.62,95.72 arc(25.67,95.46) 25.82,95.24 v1(28.63,92.43)
Board_0-/ADC: length 19.8
  Top w0.2: 44.22,76.89 R16#3.1 ; 44.22,76.89 42.22,76.89 ; 44.22,76.89 44.22,72.4 arc(44.28,72.14) 44.42,71.91 45.14,71.2 arc(45.28,70.99) 45.32,70.75 45.32,70.5 arc(45.38,70.24) 45.52,70.01 45.52,70.01 arc(45.75,69.87) 46.01,69.81 46.71,69.81 arc(46.91,69.78) 47.07,69.66 arc(47.18,69.5) 47.22,69.3 47.22,68.63 arc(47.18,68.43) 47.07,68.26 arc(46.91,68.15) 46.71,68.11 43.95,68.11 arc(43.68,68.06) 43.46,67.91 42.74,67.19 arc(42.58,67.08) 42.39,67.04 U1#4.6
Board_0-/BMI_INT_AUX: length 6.8
  Top w0.2: U1#4.20 34.69,72.06 arc(34.71,72.16) 34.77,72.25 36.44,73.91 arc(36.59,74.13) 36.64,74.39 U12#3.4
Board_0-/BMI_INT_MAIN: length 30.4
  Top w0.2: v1(38.72,76.71) 38.72,75.74 arc(38.67,75.48) 38.52,75.26 35.59,72.33 arc(35.52,72.22) 35.49,72.09 U1#4.19 ; U7#2.4 39.82,97.49 arc(39.68,97.27) 39.62,97.01 39.62,92.6 arc(39.57,92.34) 39.42,92.11 38.02,90.71 arc(37.88,90.49) 37.82,90.23 37.82,84 arc(37.88,83.74) 38.02,83.51 39.02,82.51 arc(39.17,82.29) 39.22,82.03 39.22,81 arc(39.28,80.74) 39.42,80.51 40.12,79.81 arc(40.27,79.59) 40.32,79.33 40.32,76.78 arc(40.32,76.76) 40.3,76.73 v1(40.28,76.71)
  Bottom w0.2: v1(38.72,76.71) v1(40.28,76.71)
Board_0-/BOOT: length 45.3
  Top w0.2: U4.1 52.62,93.36 arc(52.53,93.12) 52.35,92.92 R13#4.1 51.24,92.12 arc(51.24,92.12) 51.24,92.12 arc(51.24,92.12) 51.23,92.12 51.23,92.12 arc(51.23,92.11) 51.23,92.11 arc(51.23,92.11) 51.23,92.11 47.35,88.24 arc(47.32,88.21) 47.29,88.17 arc(47.26,88.14) 47.24,88.1 47.22,88.06 arc(47.18,87.98) 47.15,87.9 47.14,87.86 arc(47.13,87.81) 47.13,87.77 arc(47.12,87.73) 47.12,87.68 47.12,85.13 arc(47.12,85.09) 47.12,85.04 arc(47.12,85) 47.11,84.96 47.1,84.91 arc(47.07,84.83) 47.03,84.75 47.01,84.71 arc(46.98,84.67) 46.96,84.64 arc(46.92,84.61) 46.89,84.58 45.65,83.34 arc(45.62,83.31) 45.59,83.28 arc(45.56,83.25) 45.52,83.22 45.48,83.2 arc(45.4,83.16) 45.32,83.13 45.27,83.12 arc(45.23,83.11) 45.19,83.11 arc(45.14,83.11) 45.1,83.11 40.33,83.11 arc(40.14,83.07) 39.97,82.96 arc(39.86,82.79) 39.82,82.6 39.82,80.99 arc(39.88,80.73) 40.02,80.51 40.84,79.7 arc(40.98,79.48) 41.04,79.22 41.04,74.41 arc(40.98,74.15) 40.84,73.93 v1(40.02,73.11) ; v1(38.22,70.71) 33.58,70.71 arc(33.32,70.77) 33.1,70.91 32.37,71.64 arc(32.31,71.73) 32.29,71.83 U1#4.23
  Bottom w0.2: v1(40.02,73.11) 40.02,73.06 arc(40.03,73.01) 40.06,72.97 41.59,71.45 arc(41.69,71.25) 41.72,71.03 41.72,70.5 arc(41.67,70.24) 41.52,70.01 41.22,69.71 arc(41,69.57) 40.74,69.51 39.71,69.51 arc(39.45,69.57) 39.22,69.71 v1(38.22,70.71)
Board_0-/CHARGED_LED: length 6.5
  Top w0.2: U3#3.3 25.32,78.47 arc(25.06,78.42) 24.83,78.27 22.19,75.63 arc(22.05,75.41) 21.99,75.15 21.99,74.87 arc(21.95,74.64) 21.82,74.45 R25#3.2 21.68,74.31 arc(21.71,74.36) 21.72,74.41
Board_0-/CHARGING_LED: length 12.8
  Top w0.2: U3#3.1 25.92,81.01 arc(26.02,80.99) 26.1,80.94 26.62,80.42 arc(26.76,80.2) 26.82,79.94 26.82,78.31 arc(26.78,78.12) 26.67,77.96 arc(26.51,77.85) 26.32,77.81 25.25,77.81 arc(25.04,77.77) 24.86,77.65 22.72,75.51 arc(22.58,75.29) 22.52,75.03 22.52,73.7 arc(22.47,73.44) 22.32,73.21 21.85,72.74 arc(21.63,72.6) 21.37,72.54 R22#2.2
Board_0-/EN: length 4.2
  Top w0.2: R1#3.2 46.27,69.04 arc(46.24,69.06) 46.21,69.07 44.58,69.07 arc(44.32,69.02) 44.09,68.87 44.07,68.84 arc(43.85,68.7) 43.59,68.64 U1#4.8
Board_0-/GPIO1: length 56.1
  Top w0.2: R21#2.1 18.06,86.94 arc(17.8,87) 17.58,87.14 17.3,87.42 arc(17.15,87.64) 17.1,87.9 17.1,91.81 arc(17.15,92.07) 17.3,92.29 19.82,94.81 arc(20.05,94.96) 20.31,95.01 34.67,95.01 arc(34.93,94.96) 35.15,94.81 36.12,93.84 arc(36.27,93.62) 36.32,93.36 36.32,82.8 arc(36.27,82.54) 36.12,82.31 35.82,82.01 arc(35.68,81.79) 35.62,81.53 35.62,75.3 arc(35.57,75.04) 35.42,74.81 v1(35.02,74.41) ; v1(39.52,70.71) 39.52,70.72 arc(39.51,70.73) 39.51,70.74 39.51,70.9 arc(39.51,70.9) 39.51,70.9 arc(39.51,70.91) 39.51,70.91 40.2,71.59 arc(40.2,71.59) 40.2,71.59 arc(40.27,71.69) 40.29,71.81 U1#4.13
  Bottom w0.2: v1(39.52,70.71) 37.12,73.11 arc(36.9,73.26) 36.64,73.31 36.38,73.31 arc(36.14,73.36) 35.94,73.5 v1(35.02,74.41)
Board_0-/GPIO2: length 2.4
  Top w0.2: R2#4.1 43.77,66.05 arc(43.55,66.19) 43.29,66.24 U1#4.5
Board_0-/SCL: length 58
  Top w0.2: R35#4.1 48.01,84.9 45.72,82.61 arc(45.5,82.46) 45.24,82.41 v1(40.52,82.41) ; U1#4.22 33.09,72.06 arc(33.11,72.16) 33.17,72.25 33.54,72.61 arc(33.76,72.76) 34.02,72.81 34.34,72.81 arc(34.6,72.87) 34.82,73.01 35.87,74.06 arc(36.02,74.28) 36.07,74.54 36.07,79.45 arc(36.12,79.71) 36.27,79.93 36.62,80.28 v1(36.62,81.61) 36.72,81.71 arc(36.8,81.82) 36.82,81.96 36.82,93.63 arc(36.77,93.9) 36.62,94.12 33.52,97.22 arc(33.38,97.44) 33.32,97.7 v1(33.32,99.01) 33.28,99.01 arc(33.24,99.02) 33.21,99.04 SCL#2.1 ; v1(40.08,100.53) 40.63,100.53 arc(40.84,100.46) 41.02,100.33 41.09,100.26 arc(41.24,100.04) 41.29,99.78 U7#2.13
  Bottom w0.2: v1(40.52,82.41) 37.7,82.41 arc(37.44,82.36) 37.22,82.21 v1(36.62,81.61) ; 32.04,100.23 33.23,99.04 arc(33.26,99.02) 33.29,99.01 v1(33.32,99.01) 36.74,99.01 arc(37,99.07) 37.22,99.21 38.34,100.33 arc(38.52,100.46) 38.73,100.53 40.08,100.53 arc(40.08,100.53) v1(40.08,100.53)
Board_0-/SDA: length 65.4
  Top w0.2: v1(30.75,98.96) 30.75,98.98 arc(30.75,99) 30.74,99.02 29.54,100.21 arc(29.52,100.22) 29.5,100.23 29.48,100.23 ; v1(34.18,98.31) 34.18,97.64 arc(34.24,97.38) 34.38,97.16 37.12,94.42 arc(37.27,94.2) 37.32,93.93 37.32,83.6 arc(37.38,83.34) 37.52,83.11 38.34,82.3 arc(38.49,82.08) 38.54,81.82 U12#3.1 39.22,79.61 arc(39.29,79.52) 39.32,79.41 39.32,79.28 arc(39.31,79.22) 39.27,79.16 v1(39.22,79.11) 39.35,78.98 arc(39.45,78.84) 39.48,78.67 39.48,75.06 arc(39.43,74.8) 39.29,74.58 38.09,73.38 arc(37.95,73.16) 37.89,72.9 U1#4.16 ; v1(45.52,75.11) 46.14,74.49 arc(46.36,74.35) 46.62,74.29 54.86,74.29 arc(55.12,74.24) 55.34,74.1 56.25,73.19 arc(56.26,73.17) 56.26,73.16 R31#4.1 R32#2.1 ; v1(39.12,99.73) 39.13,99.72 arc(39.14,99.72) 39.16,99.71 40.41,99.71 arc(40.55,99.67) 40.67,99.59 U7#2.14 40.79,99.52
  Bottom w0.2: SDA#8.1 29.5,100.23 arc(29.51,100.23) 29.53,100.22 30.74,99.02 arc(30.75,99) 30.75,98.98 v1(30.75,98.96) ; v1(39.12,99.73) 39.08,99.73 arc(39.04,99.72) 39.01,99.7 37.76,98.45 arc(37.56,98.35) 37.34,98.31 31.68,98.31 arc(31.42,98.37) 31.2,98.51 v1(30.75,98.96) ; v1(30.75,98.96) 30.72,98.93 ; v1(39.22,79.11) 39.27,79.16 arc(39.33,79.2) 39.39,79.21 41.53,79.21 arc(41.74,79.14) 41.92,79.01 45.42,75.52 arc(45.5,75.4) 45.52,75.26 v1(45.52,75.11)
